# Altium PCB ECU rev B pcb.PcbDoc (part 1 of 6) (continued)
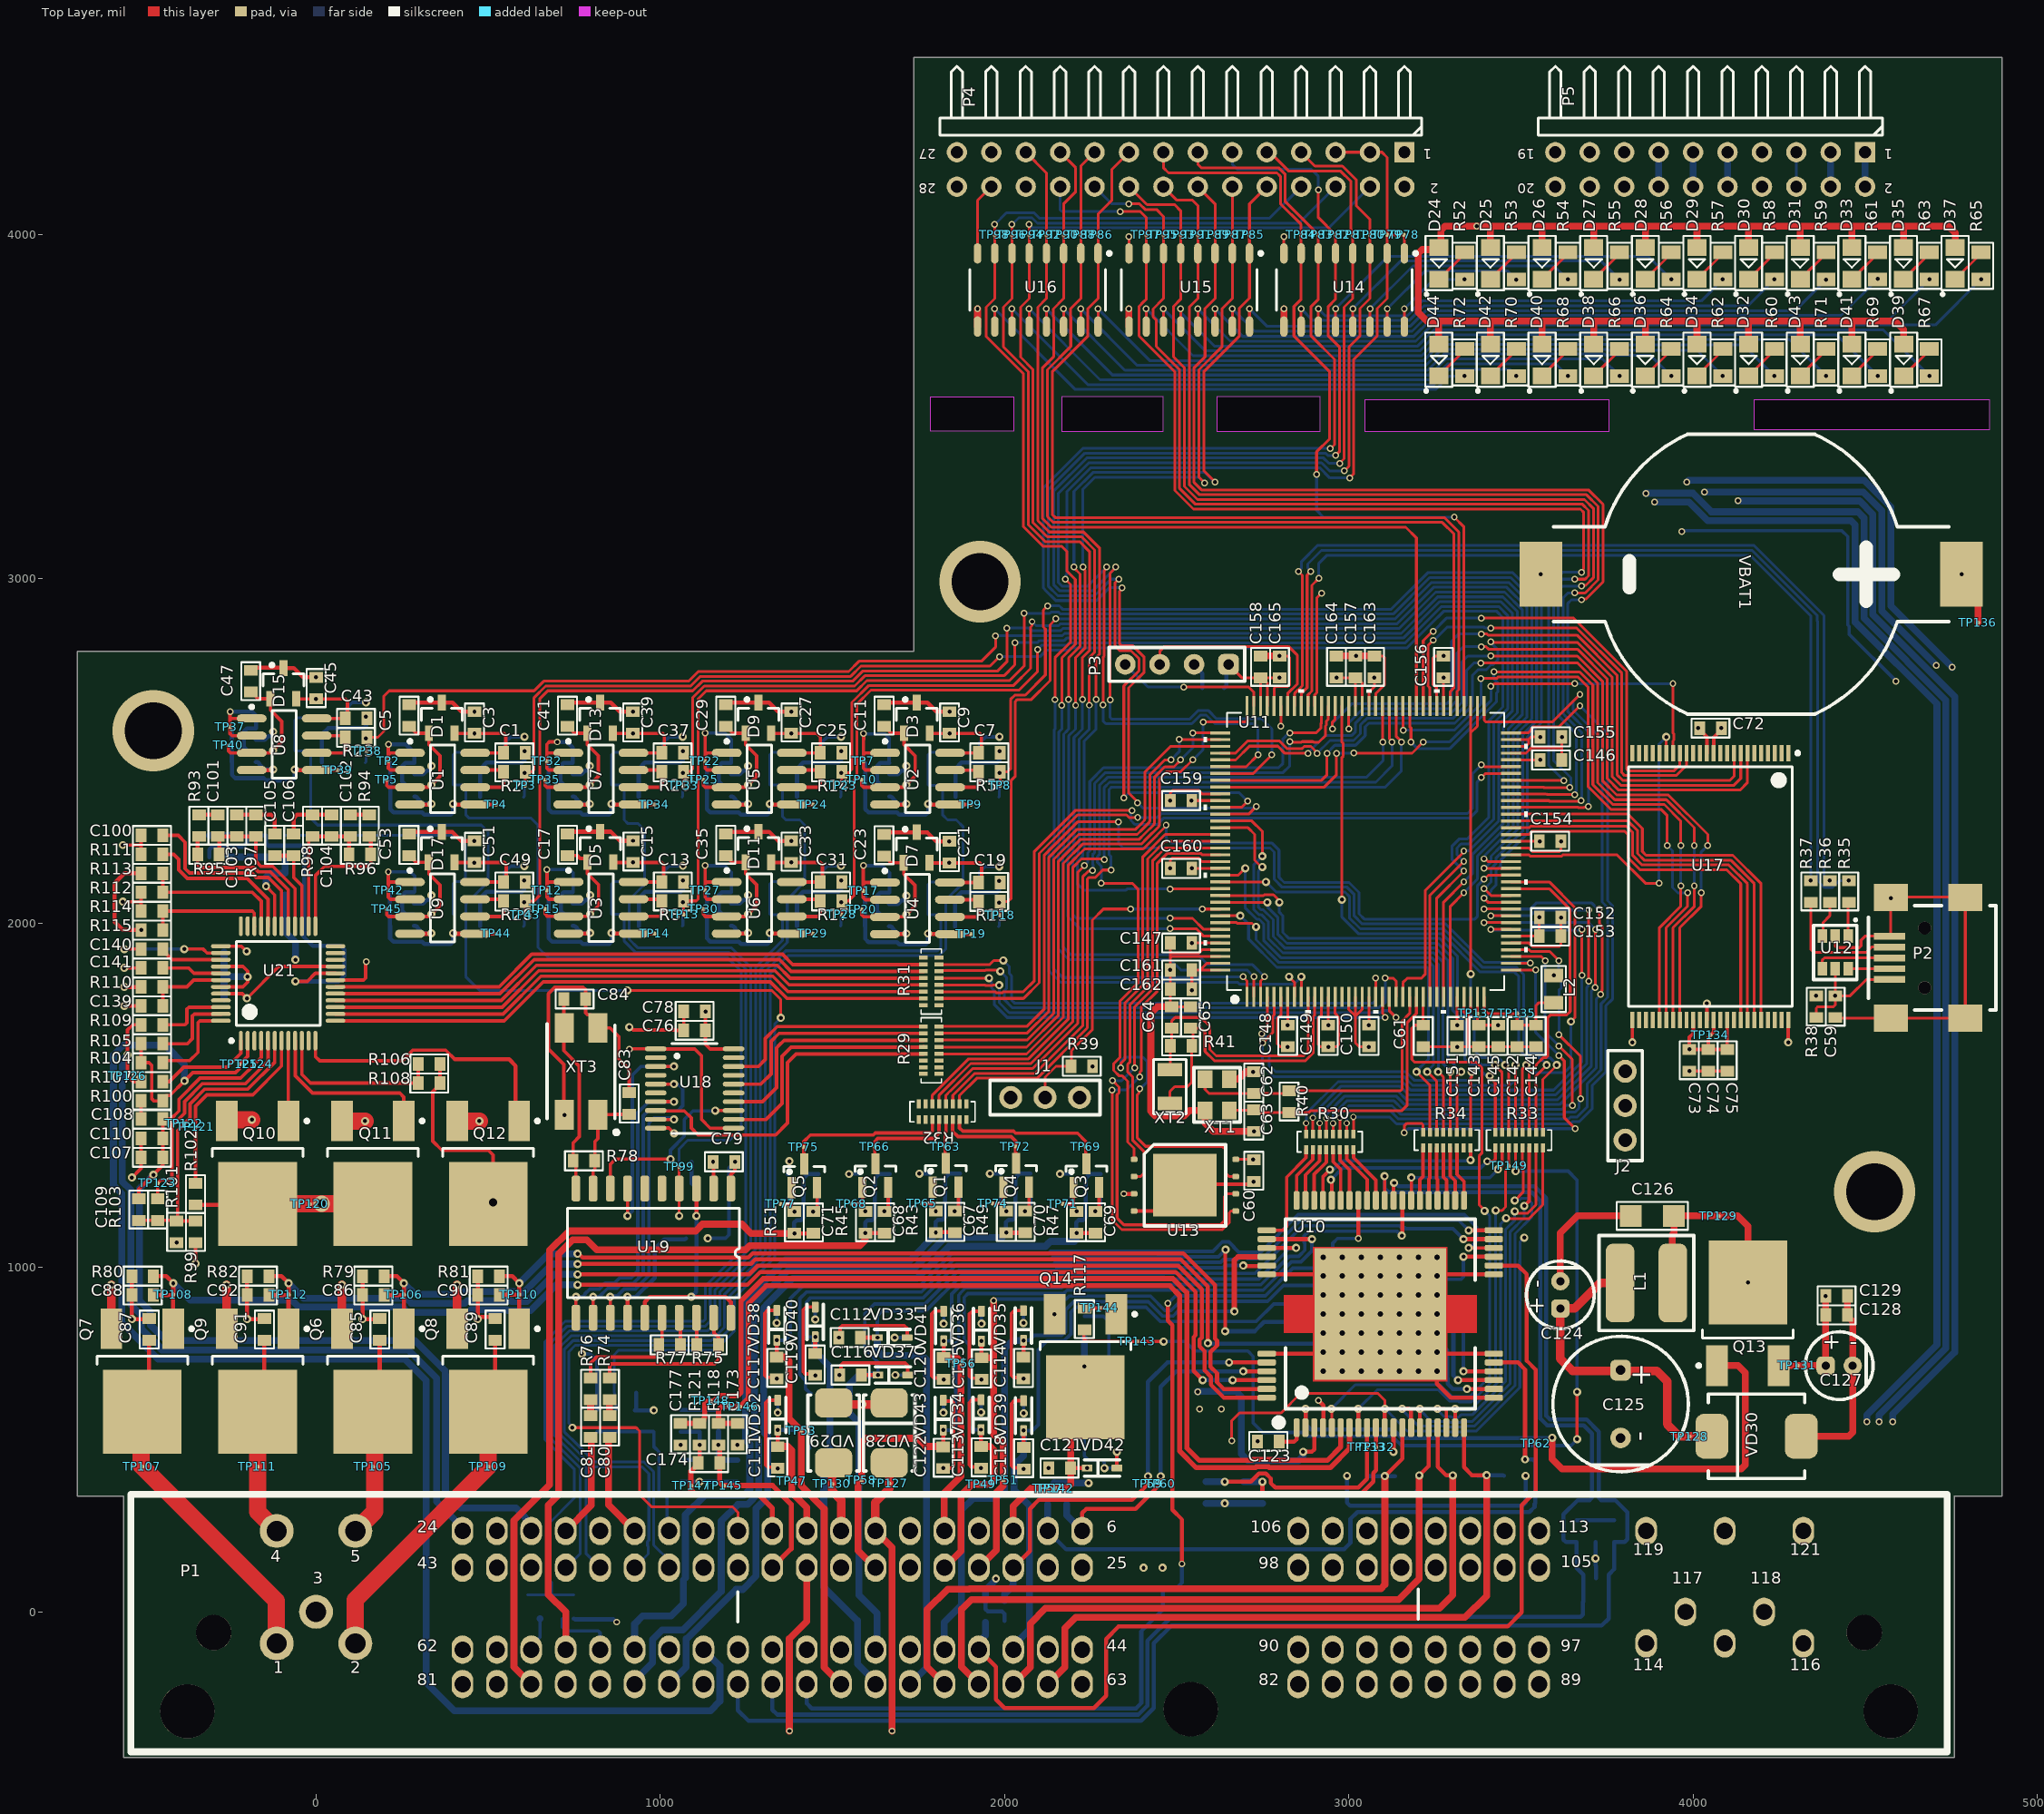
[diagram p0: Top Layer view]
## Design rules (kind name [scope] priority, off if disabled: settings) (continued)
RoomDefinition WideLambdaSensor [InComponentClass('WideLambdaSensor')] p26: confinementstyle=ConfineIn formatcopy=TRUE lockcomponents=FALSE outline -667.51,1010.82 665.9,1010.82 665.9,2477.56 -667.51,2477.56
RoomDefinition TaxoOut [InComponentClass('TaxoOut')] p27: confinementstyle=ConfineIn formatcopy=TRUE lockcomponents=FALSE outline 2469.49,952.76 2074.88,952.76 2074.88,346.05 2469.49,346.05
RoomDefinition Power [InComponentClass('Power')] p28: confinementstyle=ConfineOut formatcopy=TRUE lockcomponents=FALSE outline -1779.61,5831.05 -404.83,5831.05 -404.83,8226.05 -1779.61,8226.05
RoomDefinition OP11 [InComponentClass('OP11')] p29: confinementstyle=ConfineIn formatcopy=TRUE lockcomponents=FALSE outline 2353.5,382.6 2353.5,492.6 2093.5,492.6 2093.5,382.6
RoomDefinition OP10 [InComponentClass('OP10')] p30: confinementstyle=ConfineIn formatcopy=TRUE lockcomponents=TRUE outline 1858.5,900.24 1748.5,900.24 1748.5,640.24 1858.5,640.24
RoomDefinition OP8 [InComponentClass('OP8')] p31: confinementstyle=ConfineIn formatcopy=TRUE lockcomponents=FALSE outline 2090.67,639.84 1980.67,639.84 1980.67,379.84 2090.67,379.84
RoomDefinition OP3 [InComponentClass('OP3')] p32: confinementstyle=ConfineIn formatcopy=TRUE lockcomponents=FALSE outline 1967.24,642.4 1857.24,642.4 1857.24,382.4 1967.24,382.4
RoomDefinition OP2 [InComponentClass('OP2')] p33: confinementstyle=ConfineIn formatcopy=TRUE lockcomponents=TRUE outline 1744.03,761.52 1744.03,871.52 1484.03,871.52 1484.03,761.52
RoomDefinition OP1 [InComponentClass('OP1')] p34: confinementstyle=ConfineIn formatcopy=TRUE lockcomponents=FALSE outline 1376.36,641.64 1266.36,641.64 1266.36,381.64 1376.36,381.64
RoomDefinition IgnCvt3 [InComponentClass('IgnCvt3')] p35: confinementstyle=ConfineIn formatcopy=TRUE lockcomponents=FALSE outline 660.39,1011.42 325.39,1011.42 325.39,401.42 660.39,401.42
RoomDefinition IgnCvt2 [InComponentClass('IgnCvt2')] p36: confinementstyle=ConfineIn formatcopy=TRUE lockcomponents=FALSE outline -344.61,1011.42 -679.61,1011.42 -679.61,401.42 -344.61,401.42
RoomDefinition ExtRam [InComponentClass('ExtRam')] p37: confinementstyle=ConfineIn formatcopy=TRUE lockcomponents=FALSE outline 3799.64,2600.22 3799.64,1541.17 4319.64,1541.17 4319.64,2600.22
RoomDefinition DC5 [InComponentClass('DC5')] p38: confinementstyle=ConfineIn formatcopy=TRUE lockcomponents=FALSE outline 1519.13,1066.42 1519.13,1369.57 1314.41,1369.57 1314.41,1066.42
RoomDefinition DC3 [InComponentClass('DC3')] p39: confinementstyle=ConfineIn formatcopy=TRUE lockcomponents=FALSE outline 2338.58,1066.93 2338.58,1370.08 2133.86,1370.08 2133.86,1066.93
RoomDefinition DC1 [InComponentClass('DC1')] p40: confinementstyle=ConfineIn formatcopy=TRUE lockcomponents=FALSE outline 1929.92,1067.91 1929.92,1371.06 1725.2,1371.06 1725.2,1067.91
RoomDefinition CPS [InComponentClass('CPS')] p41: confinementstyle=ConfineIn formatcopy=TRUE lockcomponents=TRUE outline 1023.62,331.26 3644,331.26 3644,1309 1023.62,1309
RoomDefinition Connector [InComponentClass('Connector')] p42: confinementstyle=ConfineOut formatcopy=TRUE lockcomponents=FALSE outline -4004.61,8256.42 -4004.61,5806.42 -1739.61,5806.42 -1739.61,8256.42
RoomDefinition AC9 [InComponentClass('AC9')] p43: confinementstyle=ConfineIn formatcopy=TRUE lockcomponents=FALSE outline 645.17,1926.05 645.17,2301.05 185.17,2301.05 185.17,1926.05
RoomDefinition AC7 [InComponentClass('AC7')] p44: confinementstyle=ConfineIn formatcopy=TRUE lockcomponents=FALSE outline 1105.39,2301.42 1105.39,2676.42 645.39,2676.42 645.39,2301.42
RoutingVias RoutingVias_2 [(ObjectKind = 'Via') And (PadViaLibraryTemplate = 'v600h420m0mx0')] p1: holewidth=28 width=50 viastyle="Through Hole" minholewidth=28 minwidth=50 maxholewidth=300 maxwidth=500
RoutingVias RoutingVias_1 [InNetClass('CPU Lines')] p2: holewidth=11.81 width=19.68 viastyle="Through Hole" minholewidth=11.81 minwidth=13.78 maxholewidth=300 maxwidth=300
RoutingVias [All] p3: holewidth=11.81 width=23.62 viastyle="Through Hole" minholewidth=7.87 minwidth=19.68 maxholewidth=39.37 maxwidth=78.74
SilkToSilkClearance [All] p1: silktosilkclearance=3.94
SilkToSolderMaskClearance SilkToSolderMaskClearance_1 [All vs HasFootprint('TESTPOINT')] p1: minsilkscreentomaskgap=0 clearancetoexposedcopper=TRUE
SilkToSolderMaskClearance [IsPad] p2: minsilkscreentomaskgap=1 clearancetoexposedcopper=TRUE
SolderMaskExpansion [All] p1: expansion=4 istentingtop=FALSE
Width Width_4 [((InNetClass('CPU Lines')    OR InNetClass('AnalogLine'))  AND NOT   (InNet('3V3')    OR    InNet('GND')))] p1: maxlimit=8 minlimit=6 preferedwidth=8
Width Width_1 [OnLayer('GND')] p2: maxlimit=100 minlimit=10 preferedwidth=50 checkconnectedcopper=TRUE
Width Width_2 [OnLayer('Power')] p3: maxlimit=100 minlimit=10 preferedwidth=50 checkconnectedcopper=TRUE
Width [All] p4: maxlimit=59.06 minlimit=3.94 preferedwidth=10 minimp=50.000000 maximp=50.000000 favimp=50.000000
Width Width_3 [InNetClass('L970 line')] p5: maxlimit=10 minlimit=3.94 preferedwidth=10
23 further rules are at their usual default settings.

## Classes and differential pairs
net class AnalogLine: "Air Temp sensor" AirT "Coolant Temp sensor" CoolantT "HIP in" "HIP sensor" Lambda1 Lambda2 MAF "MAF sensor" MainVoltage MAP "MAP sensor" NetC44_2 NetC50_2 NetTP46_0 TPS "TPS sensor"
net class "CPU Lines": 3V3 \RESET AirT ALE BOOT0 CLE CoolantT FMC_D0 FMC_D1 FMC_D2 FMC_D3 FMC_D4 FMC_D5 FMC_D6 FMC_D7 GND "HIP in" Lambda1 Lambda2 MAF MainVoltage MAP NCE NOE NWAIT NWE OSC32_IN OSC32_OUT OSC_IN OSC_OUT PA0 PA1 PA2 PA3 PA4 PA5 PA6 PA7 PA8 PA15 PB0 PB1 PB2 PB3 PB4 PB5 PB6 PB7 PB8 PB9 PB10 PB11 PB12 PB13 PB14 PC7 PC9 PC10 PC11 PC12 PC13 PD2 PD3 PD6 PD7 PD8 PD9 PD10 PD13 PE0 PE1 PE2 PE3 PE4 PE5 PE6 PE11 PE12 PE13 PE14 PE15 PF6 PF7 PF8 PF9 PG6 PG7 PG8 PG9 PG10 PG11 PG12 PG13 PG14 "RAM WP" SWCLK SWDIO TPS "USB ID" "USB Vin" USB_N USB_P
net class "L970 line": "I Ign1" "I Ign2" "I Ign3" "I Ign4" "I Ing1" "I Ing2" "I Inj3" "I Inj4" "I O2" "I O2_1" "I Starter" "I StepMotor" Vkey
channel class OutProtect: OP1 OP2 OP3 OP4 OP5 OP6 OP7 OP8 OP9 OP10 OP11 OP12
channel class LambdaIn: LIN1 LIN2
channel class IgnMOSFET: IgnCvt1 IgnCvt2 IgnCvt3 IgnCvt4
channel class DigitalConverter: DC1 DC2 DC3 DC4 DC5
channel class AnalogIn: AC1 AC2 AC3 AC4 AC5 AC6 AC7 AC8 AC9
net class Ign[1..4]: Ign1 Ign2 Ign3 Ign4
net class FMC_D[0..7]: FMC_D0 FMC_D1 FMC_D2 FMC_D3 FMC_D4 FMC_D5 FMC_D6 FMC_D7
net class Coil[1..4]: Coil1 Coil2 Coil3 Coil4
component class WideLambdaSensor: C100 C101 C102 C103 C104 C105 C106 C107 C108 C109 C110 Q10 Q11 Q12 R93 R94 R95 R96 R97 R98 R99 R100 R101 R102 R103 R104 R105 R106 R107 R108 R109 TP120 TP121 TP122 TP123 TP124 TP125 TP126 U21
component class TaxoOut: Q14 R116 R117 TP142 TP143 TP144 VD31
component class StepControl: C166 C167 C168 C169 TP138 TP139 TP140 TP141
component class Power: C123 C124 C125 C126 C127 C128 C129 C130 C131 C132 C133 C134 C135 C136 C137 C138 C139 C140 C141 C142 C143 C144 C145 C146 C147 C148 C149 C150 C151 C152 C153 C154 C155 C156 C157 C158 C159 C160 C161 C162 C163 C164 C165 J2 L1 L2 Q13 R110 R111 R112 R113 R114 R115 TP127 TP128 TP129 TP130 TP131 TP132 TP133 TP135 TP136 TP137 U10 VBAT1 VD28 VD29 VD30
component class OP12: C122 VD27 VD43
component class OP11: C121 VD26 VD42
component class OP10: C120 VD25 VD41
component class OP9: C119 VD24 VD40
component class OP8: C118 VD23 VD39
component class OP7: C117 VD22 VD38
component class OP6: C116 VD21 VD37
component class OP5: C115 VD20 VD36
component class OP4: C114 VD19 VD35
component class OP3: C113 VD18 VD34
component class OP2: C112 VD17 VD33
component class OP1: C111 VD16 VD32
component class LIN2: C98 C99 R90 R91 R92 TP118 TP119
component class LIN1: C96 C97 R87 R88 R89 TP116 TP117
component class InterfaceControl: C93 C94 C95 R83 R84 R85 R86 TP113 TP114 TP115 U20
component class IgnCvt4: C91 C92 Q9 R82 TP111 TP112
component class IgnCvt3: C89 C90 Q8 R81 TP109 TP110
component class IgnCvt2: C87 C88 Q7 R80 TP107 TP108
component class IgnCvt1: C85 C86 Q6 R79 TP105 TP106
component class HIP9011: C76 C77 C78 C79 C80 C81 C82 C83 C84 R73 R74 R75 R76 R77 R78 TP99 TP100 TP101 TP102 TP103 TP104 U18 U19 XT3
component class ExtRam: C72 C73 C74 C75 U17
component class ExtIO: D24 D25 D26 D27 D28 D29 D30 D31 D32 D33 D34 D35 D36 D37 D38 D39 D40 D41 D42 D43 D44 P4 P5 R52 R53 R54 R55 R56 R57 R58 R59 R60 R61 R62 R63 R64 R65 R66 R67 R68 R69 R70 R71 R72 TP78 TP79 TP80 TP81 TP82 TP83 TP84 TP85 TP86 TP87 TP88 TP89 TP90 TP91 TP92 TP93 TP94 TP95 TP96 TP97 TP98 U14 U15 U16
component class DC5: C71 D23 Q5 R51 TP75 TP76 TP77 VD15
component class DC4: C70 D22 Q4 R49 TP72 TP73 TP74 VD14
component class DC3: C69 D21 Q3 R47 TP69 TP70 TP71 VD13
component class DC2: C68 D20 Q2 R45 TP66 TP67 TP68 VD12
component class DC1: C67 D19 Q1 R43 TP63 TP64 TP65 VD11
component class CPU: C59 C60 C61 C62 C63 C64 C65 C66 J1 P2 P3 R29 R30 R31 R32 R33 R34 R35 R36 R37 R38 R39 R40 R41 U11 U12 U13 XT1 XT2
component class CPS: C170 C171 C172 C173 C174 C175 C176 C177 R118 R119 R120 R121 TP145 TP146 TP147 TP148 TP149
component class Connector: C55 C56 C57 C58 P1 TP46 TP47 TP48 TP49 TP50 TP51 TP52 TP53 TP54 TP55 TP56 TP57 TP58 TP59 TP60 TP61 TP62 VD10
component class AC9: C49 C50 C51 C52 C53 C54 D17 D18 R25 R26 R27 TP41 TP42 TP43 TP44 TP45 U9 VD9
component class AC8: C43 C44 C45 C46 C47 C48 D15 D16 R22 R23 R24 TP36 TP37 TP38 TP39 TP40 U8 VD8
component class AC7: C37 C38 C39 C40 C41 C42 D13 D14 R19 R20 R21 TP31 TP32 TP33 TP34 TP35 U7 VD7
component class AC6: C31 C32 C33 C34 C35 C36 D11 D12 R16 R17 R18 TP26 TP27 TP28 TP29 TP30 U6 VD6
component class AC5: C25 C26 C27 C28 C29 C30 D9 D10 R13 R14 R15 TP21 TP22 TP23 TP24 TP25 U5 VD5
component class AC4: C19 C20 C21 C22 C23 C24 D7 D8 R10 R11 R12 TP16 TP17 TP18 TP19 TP20 U4 VD4
component class AC3: C13 C14 C15 C16 C17 C18 D5 D6 R7 R8 R9 TP11 TP12 TP13 TP14 TP15 U3 VD3
component class AC2: C7 C8 C9 C10 C11 C12 D3 D4 R4 R5 R6 TP6 TP7 TP8 TP9 TP10 U2 VD2
component class AC1: C1 C2 C3 C4 C5 C6 D1 D2 R1 R2 R3 TP1 TP2 TP3 TP4 TP5 U1 VD1
component class 12to5: R28
differential pair VRS: +VRS_P -VRS_N
differential pair USB: +USB_P -USB_N
differential pair CPS: +CPS_P -CPS_N

## Components (designator, comment, footprint, x,y, rotation, side; value= is the part's Value field where it differs from the comment)
C1 "100nF\50V" "SMD 0603" 607.64,2494.76 r180 top (schematic designator C90)
C2 "1nF" "SMD 0603" 335.39,2456.42 r0 bottom (schematic designator C87)
C3 "100nF\50V" "SMD 0603" 460.39,2551.42 r90 top (schematic designator C88)
C4 "1nF" "SMD 0603" 605.39,2499.41 r270 bottom (schematic designator C92)
C5 "1nF" "SMD 0603" 270.39,2634.41 r270 top (schematic designator C89)
C6 "1nF" "SMD 0603" 335.39,2346.42 r0 bottom (schematic designator C91)
C7 "100nF\50V" "SMD 0603" 1987.64,2494.76 r180 top (schematic designator C90)
C8 "1nF" "SMD 0603" 1715.39,2456.42 r0 bottom (schematic designator C87)
C9 "100nF\50V" "SMD 0603" 1840.39,2551.42 r90 top (schematic designator C88)
C10 "1nF" "SMD 0603" 1985.39,2499.41 r270 bottom (schematic designator C92)
C11 "1nF" "SMD 0603" 1650.39,2634.41 r270 top (schematic designator C89)
C12 "1nF" "SMD 0603" 1715.39,2346.42 r0 bottom (schematic designator C91)
C13 "100nF\50V" "SMD 0603" 1068.15,2119.87 r180 top (schematic designator C90)
C14 "1nF" "SMD 0603" 795.91,2081.52 r0 bottom (schematic designator C87)
C15 "100nF\50V" "SMD 0603" 920.91,2176.52 r90 top (schematic designator C88)
C16 "1nF" "SMD 0603" 1065.91,2124.51 r270 bottom (schematic designator C92)
C17 "1nF" "SMD 0603" 730.91,2259.51 r270 top (schematic designator C89)
C18 "1nF" "SMD 0603" 795.91,1971.52 r0 bottom (schematic designator C91)
C19 "100nF\50V" "SMD 0603" 1987.24,2118.35 r180 top (schematic designator C90)
C20 "1nF" "SMD 0603" 1715,2080 r0 bottom (schematic designator C87)
C21 "100nF\50V" "SMD 0603" 1840,2175 r90 top (schematic designator C88)
C22 "1nF" "SMD 0603" 1985,2122.99 r270 bottom (schematic designator C92)
C23 "1nF" "SMD 0603" 1650,2257.99 r270 top (schematic designator C89)
C24 "1nF" "SMD 0603" 1715,1970 r0 bottom (schematic designator C91)
C25 "100nF\50V" "SMD 0603" 1527.64,2494.76 r180 top (schematic designator C90)
C26 "1nF" "SMD 0603" 1255.39,2456.42 r0 bottom (schematic designator C87)
C27 "100nF\50V" "SMD 0603" 1380.39,2551.42 r90 top (schematic designator C88)
C28 "1nF" "SMD 0603" 1525.39,2499.41 r270 bottom (schematic designator C92)
C29 "1nF" "SMD 0603" 1190.39,2634.41 r270 top (schematic designator C89)
C30 "1nF" "SMD 0603" 1255.39,2346.42 r0 bottom (schematic designator C91)
C31 "100nF\50V" "SMD 0603" 1527.64,2119.76 r180 top (schematic designator C90)
C32 "1nF" "SMD 0603" 1255.39,2081.42 r0 bottom (schematic designator C87)
C33 "100nF\50V" "SMD 0603" 1380.39,2176.42 r90 top (schematic designator C88)
C34 "1nF" "SMD 0603" 1525.39,2124.41 r270 bottom (schematic designator C92)
C35 "1nF" "SMD 0603" 1190.39,2259.41 r270 top (schematic designator C89)
C36 "1nF" "SMD 0603" 1255.39,1971.42 r0 bottom (schematic designator C91)
C37 "100nF\50V" "SMD 0603" 1067.64,2494.76 r180 top (schematic designator C90)
C38 "1nF" "SMD 0603" 795.39,2456.42 r0 bottom (schematic designator C87)
C39 "100nF\50V" "SMD 0603" 920.39,2551.42 r90 top (schematic designator C88)
C40 "1nF" "SMD 0603" 1065.39,2499.41 r270 bottom (schematic designator C92)
C41 "1nF" "SMD 0603" 730.39,2634.41 r270 top (schematic designator C89)
C42 "1nF" "SMD 0603" 795.39,2346.42 r0 bottom (schematic designator C91)
C43 "100nF\50V" "SMD 0603" 147.64,2594.76 r180 top (schematic designator C90)
C44 "1nF" "SMD 0603" -124.61,2556.42 r0 bottom (schematic designator C87)
C45 "100nF\50V" "SMD 0603" 0.39,2651.42 r90 top (schematic designator C88)
C46 "1nF" "SMD 0603" 145.39,2599.41 r270 bottom (schematic designator C92)
C47 "1nF" "SMD 0603" -189.61,2734.41 r270 top (schematic designator C89)
C48 "1nF" "SMD 0603" -124.61,2446.42 r0 bottom (schematic designator C91)
C49 "100nF\50V" "SMD 0603" 607.41,2119.39 r180 top (schematic designator C90)
C50 "1nF" "SMD 0603" 335.17,2081.05 r0 bottom (schematic designator C87)
C51 "100nF\50V" "SMD 0603" 460.17,2176.05 r90 top (schematic designator C88)
C52 "1nF" "SMD 0603" 605.17,2124.04 r270 bottom (schematic designator C92)
C53 "1nF" "SMD 0603" 270.17,2259.04 r270 top (schematic designator C89)
C54 "1nF" "SMD 0603" 335.17,1971.05 r0 bottom (schematic designator C91)
C55 "1nF" "SMD 0603" 2000,-30 r90 bottom (schematic designator C1)
C56 "1nF" "SMD 0603" 2125.31,375 r270 bottom (schematic designator C3)
C57 "1nF" "SMD 0603" 2180.31,375 r270 bottom (schematic designator C2)
C58 "1nF" "SMD 0603" 1945,32.99 r270 bottom (schematic designator C4)
C59 "0.1uF" "SMD 0603" 4413.39,1789.2 r270 top (schematic designator C102)
C60 "0.1uF" "SMD 0603" 2724.22,1312.8 r270 top (schematic designator C101)
C61 "0.1uF" "SMD 0603" 3216.5,1703.81 r270 top (schematic designator C95)
C62 "10pF" "SMD 0603" 2724.41,1505.73 r90 top (schematic designator C96)
C63 "10pF" "SMD 0603" 2724.41,1458.49 r270 top (schematic designator C97)
C64 "22pF" "SMD 0603" 2485.44,1694.71 r90 top (schematic designator C98)
C65 "22pF" "SMD 0603" 2540.56,1694.71 r90 top (schematic designator C99)
C66 "0.1uF" "SMD 0603" 2574.8,2682.9 r0 bottom (schematic designator C100)
C67 "1nF" "SMD 0603" 1855.76,1164 r270 top (schematic designator C77)
C68 "1nF" "SMD 0603" 1651.46,1162.94 r270 top (schematic designator C77)
C69 "1nF" "SMD 0603" 2264.42,1163.02 r270 top (schematic designator C77)
C70 "1nF" "SMD 0603" 2060.52,1164 r270 top (schematic designator C77)
C71 "1nF" "SMD 0603" 1444.97,1162.5 r270 top (schematic designator C77)
C72 "100nF\50V" "SMD 0603" 4019.64,2566.57 r0 top (schematic designator C103)
C73 "100nF\50V" "SMD 0603" 3989.64,1570.57 r90 top (schematic designator C104)
C74 "100nF\50V" "SMD 0603" 4044.64,1570.57 r90 top (schematic designator C105)
C75 "100nF\50V" "SMD 0603" 4099.64,1570.57 r90 top (schematic designator C106)
C76 "100nF\50V" "SMD 0603" 1131.29,1688.94 r180 top (schematic designator C84)
C77 "100nF\50V" "SMD 0603" 910,1635 r90 bottom (schematic designator C86)
C78 "1uF" "SMD 0603" 1131.29,1743.97 r180 top (schematic designator C85)
C79 "4.7uF" "SMD 0603" 1153.54,1307.09 r0 top (schematic designator C81)
C80 "3.3nF" "SMD 0603" 852.73,569.4 r270 top (schematic designator C78)
C81 "3.3nF" "SMD 0603" 797.73,569.4 r270 top (schematic designator C79)
C82 "22nF" "SMD 0603" 1153.54,1307.09 r180 bottom (schematic designator C80)
C83 "22pF" "SMD 0603" 910,1507.99 r270 top (schematic designator C82)
C84 "22pF" "SMD 0603" 782.99,1780 r180 top (schematic designator C83)
C85 "1nF" "SMD 0603" 185.39,851.42 r270 top (schematic designator C49)
C86 "1.5nF\50V" "SMD 0603" 135,920 r0 top (schematic designator C48)
C87 "1nF" "SMD 0603" -484.61,851.42 r270 top (schematic designator C49)
C88 "1.5nF\50V" "SMD 0603" -535,920 r0 top (schematic designator C48)
C89 "1nF" "SMD 0603" 520.39,851.42 r270 top (schematic designator C49)
C90 "1.5nF\50V" "SMD 0603" 470,920 r0 top (schematic designator C48)
C91 "1nF" "SMD 0603" -149.61,851.42 r270 top (schematic designator C49)
C92 "1.5nF\50V" "SMD 0603" -200,920 r0 top (schematic designator C48)
C93 "4.7nF" "SMD 0603" 3716.78,202.56 r90 bottom (schematic designator C52)
C94 "1nF" "SMD 0603" 2404.14,128.33 r270 bottom (schematic designator C51)
C95 "10nF\100V" "SMD 0603" -310,2192.01 r90 bottom (schematic designator C50)
C96 "33nF" "SMD 0603" 867.28,636.06 r0 bottom (schematic designator C94)
C97 "1nF" "SMD 0603" 926.34,585.12 r270 bottom (schematic designator C93)
C98 "33nF" "SMD 0603" -35,2255 r270 bottom (schematic designator C94)
C99 "1nF" "SMD 0603" -145,2255 r270 bottom (schematic designator C93)
C100 "4.7uF" "SMD 0603" -445,2255 r180 top (schematic designator C69)
C101 "NC" "SMD 0603" -285,2315 r270 top (schematic designator C67)
C102 "NC" "SMD 0603" 100,2315 r270 top (schematic designator C71)
C103 "NC" "SMD 0603" -230,2252.01 r90 top (schematic designator C66)
C104 "NC" "SMD 0603" 45,2252.01 r90 top (schematic designator C72)
C105 "NC" "SMD 0603" -120,2196.06 r90 top (schematic designator C68)
C106 "NC" "SMD 0603" -65,2259.06 r270 top (schematic designator C70)
C107 "2.2nF" "SMD 0603" -445,1320 r180 top (schematic designator C74)
C108 "1uF" "SMD 0603" -507.99,1431.65 r0 top (schematic designator C75)
C109 "1uF" "SMD 0603" -515,1137.01 r90 top (schematic designator C73)
C110 "1nF" "SMD 0603" -507.99,1375 r0 top (schematic designator C76)
C111 "1nF" "SMD 0603" 1341.36,416.64 r90 top (schematic designator C57)
C112 "1nF" "SMD 0603" 1519.03,796.52 r0 top (schematic designator C57)
C113 "1nF" "SMD 0603" 1932.24,417.4 r90 top (schematic designator C57)
C114 "1nF" "SMD 0603" 2055.2,676.69 r90 top (schematic designator C57)
C115 "1nF" "SMD 0603" 1933.23,674.96 r90 top (schematic designator C57)
C116 "1nF" "SMD 0603" 1521.02,687.83 r0 top (schematic designator C57)
C117 "1nF" "SMD 0603" 1338.58,677.17 r90 top (schematic designator C57)
C118 "1nF" "SMD 0603" 2055.67,414.84 r90 top (schematic designator C57)
C119 "1nF" "SMD 0603" 1450.12,687.13 r90 top (schematic designator C57)
C120 "1nF" "SMD 0603" 1823.5,675.24 r90 top (schematic designator C57)
C121 "1nF" "SMD 0603" 2128.5,417.6 r0 top (schematic designator C57)
C122 "1nF" "SMD 0603" 1822.21,416.38 r90 top (schematic designator C57)
C123 "100nF\50V" "SMD 0603" 2797.99,495 r180 top (schematic designator C40)
C124 "10uF\100V" "CAP 5x11" 3615,920.63 r90 top (schematic designator C10)
C125 "100uF\100V" "CAP 10x20" 3790,603.43 r270 top (schematic designator C12)
C126 "2.2uF\100V" "SMD 1206" 3819.02,1150 r0 top (schematic designator C15)
C127 "10uF\100V" "CAP 5x11" 4425,715 r0 top (schematic designator C38)
C128 "100nF\50V" "SMD 0603" 4448.93,862.61 r180 top (schematic designator C39)
C129 "1uF" "SMD 0603" 4448.93,917.61 r180 top (schematic designator C41)
C130 "10nF\50V" "SMD 0603" 2694.38,315.02 r90 bottom (schematic designator C42)
C131 "10nF\50V" "SMD 0603" 2585,315.02 r90 bottom (schematic designator C43)
C132 "1uF" "SMD 0603" 2749.38,315.02 r90 bottom (schematic designator C45)
C133 "1uF" "SMD 0603" 2640,315.02 r90 bottom (schematic designator C46)
C134 "1uF" "SMD 0603" 2566.83,589.27 r0 bottom (schematic designator C47)
C135 "100nF\50V" "SMD 0603" 82.57,1887.99 r0 bottom (schematic designator C29)
C136 "100nF\50V" "SMD 0603" -264.72,1918.3 r0 bottom (schematic designator C31)
C137 "100nF\50V" "SMD 0603" -263.6,1781.76 r0 bottom (schematic designator C33)
C138 "100nF\50V" "SMD 0603" -59.97,1831.03 r90 bottom (schematic designator C35)
C139 "10nF\100V" "SMD 0603" -507.99,1760 r0 top (schematic designator C44)
C140 "470nF\16V" "SMD 0603" -507.99,1925 r0 top (schematic designator C36)
C141 "1uF" "SMD 0603" -445,1870 r180 top (schematic designator C37)
C142 "1uF" "SMD 0603" 3489.38,1703.81 r270 top (schematic designator C19)
C143 "1uF" "SMD 0603" 3378.48,1703.81 r270 top (schematic designator C25)
C144 "100nF\50V" "SMD 0603" 3544.5,1640.82 r90 top (schematic designator C17)
C145 "100nF\50V" "SMD 0603" 3434.26,1640.82 r90 top (schematic designator C22)
C146 "2.2uF" "SMD 0603" 3619.3,2474.24 r180 top (schematic designator C27)
C147 "2.2uF" "SMD 0603" 2481.5,1942.74 r0 top (schematic designator C28)
C148 "100nF\50V" "SMD 0603" 2822.8,1640.82 r90 top (schematic designator C5)
C149 "100nF\50V" "SMD 0603" 2940.91,1640.82 r90 top (schematic designator C6)
C150 "100nF\50V" "SMD 0603" 3059.02,1640.82 r90 top (schematic designator C7)
C151 "100nF\50V" "SMD 0603" 3314.92,1640.82 r90 top (schematic designator C8)
C152 "100nF\50V" "SMD 0603" 3616.84,2016.32 r180 top (schematic designator C9)
C153 "100nF\50V" "SMD 0603" 3616.84,1962.43 r180 top (schematic designator C11)
C154 "100nF\50V" "SMD 0603" 3616.84,2238.02 r180 top (schematic designator C13)
C155 "100nF\50V" "SMD 0603" 3619.3,2541.17 r180 top (schematic designator C14)
C156 "100nF\50V" "SMD 0603" 3275.55,2776.16 r270 top (schematic designator C16)
C157 "100nF\50V" "SMD 0603" 3019.65,2776.16 r270 top (schematic designator C18)
C158 "100nF\50V" "SMD 0603" 2744.05,2776.16 r270 top (schematic designator C20)
C159 "100nF\50V" "SMD 0603" 2481.5,2356.13 r0 top (schematic designator C21)
C160 "100nF\50V" "SMD 0603" 2481.5,2159.28 r0 top (schematic designator C23)
C161 "100nF\50V" "SMD 0603" 2481.5,1864 r0 top (schematic designator C24)
C162 "4.7uF" "SMD 0603" 2481.5,1808.88 r0 top (schematic designator C26)
C163 "100nF\50V" "SMD 0603" 3074.76,2776.16 r270 top (schematic designator C30)
C164 "100nF\50V" "SMD 0603" 2964.53,2776.16 r270 top (schematic designator C32)
C165 "4.7uF" "SMD 0603" 2799.17,2776.16 r270 top (schematic designator C34)
C166 "1nF" "SMD 0603" 3514.3,394.87 r180 bottom (schematic designator C53)
C167 "1nF" "SMD 0603" 3514.3,339.87 r180 bottom (schematic designator C54)
C168 "1nF" "SMD 0603" 2995.13,339.87 r0 bottom (schematic designator C55)
C169 "1nF" "SMD 0603" 2995.13,394.87 r0 bottom (schematic designator C56)
C170 "100nF" "SMD 0603" 1169.29,523.62 r90 bottom (schematic designator C59)
C171 "4.7nF" "SMD 0603" 1224.61,377.83 r90 bottom (schematic designator C60)
C172 "100pF" "SMD 0603" 1169.61,377.83 r90 bottom (schematic designator C62)
C173 "470pF" "SMD 0603" 1224.41,484.25 r90 top (schematic designator C64)
C174 "470pF" "SMD 0603" 1110.24,433.07 r0 top (schematic designator C58)
C175 "4.7nF" "SMD 0603" 1059.06,377.95 r90 bottom (schematic designator C61)
C176 "100pF" "SMD 0603" 1114.49,377.83 r90 bottom (schematic designator C63)
C177 "470pF" "SMD 0603" 1059.06,484.25 r90 top (schematic designator C65)
D1 "BAS70-04" SOT23_N 365.39,2596.42 r90 top (schematic designator D2)
D2 "2.7V" SOD123 540.39,2366.42 r0 bottom (schematic designator D3)
D3 "BAS70-04" SOT23_N 1745.39,2596.42 r90 top (schematic designator D2)
D4 "2.7V" SOD123 1920.39,2366.42 r0 bottom (schematic designator D3)
D5 "BAS70-04" SOT23_N 825.91,2221.52 r90 top (schematic designator D2)
D6 "2.7V" SOD123 1000.91,1991.52 r0 bottom (schematic designator D3)
D7 "BAS70-04" SOT23_N 1745,2220 r90 top (schematic designator D2)
D8 "2.7V" SOD123 1920,1990 r0 bottom (schematic designator D3)
D9 "BAS70-04" SOT23_N 1285.39,2596.42 r90 top (schematic designator D2)
D10 "2.7V" SOD123 1460.39,2366.42 r0 bottom (schematic designator D3)
D11 "BAS70-04" SOT23_N 1285.39,2221.42 r90 top (schematic designator D2)
D12 "2.7V" SOD123 1460.39,1991.42 r0 bottom (schematic designator D3)
D13 "BAS70-04" SOT23_N 825.39,2596.42 r90 top (schematic designator D2)
D14 "2.7V" SOD123 1000.39,2366.42 r0 bottom (schematic designator D3)
D15 "BAS70-04" SOT23_N -94.61,2696.42 r90 top (schematic designator D2)
D16 "2.7V" SOD123 80.39,2466.42 r0 bottom (schematic designator D3)
D17 "BAS70-04" SOT23_N 365.17,2221.05 r90 top (schematic designator D2)
D18 "2.7V" SOD123 540.17,1991.05 r0 bottom (schematic designator D3)
D19 "4.7V" SOD323 1827.56,1205.71 r0 bottom (schematic designator D1)
D20 "4.7V" SOD323 1623.27,1204.65 r0 bottom (schematic designator D1)
D21 "4.7V" SOD323 2236.22,1204.72 r0 bottom (schematic designator D1)
D22 "4.7V" SOD323 2032.32,1205.71 r0 bottom (schematic designator D1)
D23 "4.7V" SOD323 1416.77,1204.21 r0 bottom (schematic designator D1)
D24 "LED" "LED 0805" 3262.41,3869.98 r90 top (schematic designator D11)
D25 "LED" "LED 0805" 3411.83,3869.98 r90 top (schematic designator D12)
D26 "LED" "LED 0805" 3561.83,3869.98 r90 top (schematic designator D13)
D27 "LED" "LED 0805" 3711.83,3869.98 r90 top (schematic designator D14)
D28 "LED" "LED 0805" 3861.83,3869.98 r90 top (schematic designator D15)
D29 "LED" "LED 0805" 4011.83,3869.98 r90 top (schematic designator D16)
D30 "LED" "LED 0805" 4161.83,3869.98 r90 top (schematic designator D17)
D31 "LED" "LED 0805" 4311.83,3869.98 r90 top (schematic designator D18)
D32 "LED" "LED 0805" 4161.83,3589.27 r90 top (schematic designator D4)
D33 "LED" "LED 0805" 4461.83,3869.98 r90 top (schematic designator D19)
D34 "LED" "LED 0805" 4011.83,3589.27 r90 top (schematic designator D5)
D35 "LED" "LED 0805" 4611.83,3869.98 r90 top (schematic designator D20)
D36 "LED" "LED 0805" 3861.83,3589.27 r90 top (schematic designator D6)
D37 "LED" "LED 0805" 4761.83,3869.98 r90 top (schematic designator D21)
D38 "LED" "LED 0805" 3711.83,3589.27 r90 top (schematic designator D7)
D39 "LED" "LED 0805" 4612.41,3589.27 r90 top (schematic designator D22)
D40 "LED" "LED 0805" 3561.83,3589.27 r90 top (schematic designator D8)
D41 "LED" "LED 0805" 4461.83,3589.27 r90 top (schematic designator D23)
D42 "LED" "LED 0805" 3411.83,3589.27 r90 top (schematic designator D9)
D43 "LED" "LED 0805" 4311.83,3589.27 r90 top (schematic designator D24)
D44 "LED" "LED 0805" 3261.83,3589.27 r90 top (schematic designator D10)
J1 "JUMPER SWITCH" JMP3 2118.11,1493.92 r0 top (schematic designator J2)
J2 "JUMPER SWITCH" JMP3 3803.15,1470.08 r270 top (schematic designator J1)
L1 "3.3uH\2A" SDR0604 3865,955 r0 top
L2 "FB, 0.25OHM, 500MA," "SMD 0805" 3595.68,1769.51 r90 top
P1 "ECU 121 pin connector" 1241434-1 2100.39,-288.58 r0 top locked
P2 "MINI USB B SMD" "MINI USB B SMD" 4879.92,1899.43 r90 top (schematic designator P3)
P3 "JTAG" "HEADER 1x4" 2500.9,2751.82 r180 top (schematic designator P2)
P4 "Header 14X2H" HDR2X14H 3161.83,4239.27 r180 top
P5 "Header 10X2H" HDR2X10H 4500.41,4239.27 r180 top
Q1 "50V / 100mA" SOT23 1829.23,1267.84 r90 top (schematic designator Q6)
Q2 "50V / 100mA" SOT23 1624.94,1266.78 r90 top (schematic designator Q6)
Q3 "50V / 100mA" SOT23 2237.89,1266.86 r90 top (schematic designator Q6)
Q4 "50V / 100mA" SOT23 2033.99,1267.84 r90 top (schematic designator Q6)
Q5 "50V / 100mA" SOT23 1418.44,1266.35 r90 top (schematic designator Q6)
Q6 "STGD18N40" DPAK228P991X238-3M 165.39,661.42 r270 top (schematic designator Q2)
Q7 "STGD18N40" DPAK228P991X238-3M -504.61,661.42 r270 top (schematic designator Q2)
Q8 "STGD18N40" DPAK228P991X238-3M 500.39,661.42 r270 top (schematic designator Q2)
Q9 "STGD18N40" DPAK228P991X238-3M -169.61,661.42 r270 top (schematic designator Q2)
Q10 "IRFR1018EPbF" DPAK228P991X238-3M -169.61,1265 r270 top (schematic designator Q3)
Q11 "IRFR1018EPbF" DPAK228P991X238-3M 165.39,1265 r270 top (schematic designator Q4)
Q12 "IRFR1018EPbF" DPAK228P991X238-3M 500.39,1265 r270 top (schematic designator Q5)
Q13 "IRFR1018EPbF" DPAK228P991X238-3M 4159.76,875.63 r90 top (schematic designator Q1)
Q14 "IRFR1018EPbF" DPAK228P991X238-3M 2235.23,703.72 r270 top (schematic designator Q7)
R1 "10k" "SMD 0603" 398.39,2401.42 r180 bottom (schematic designator R41)
R2 "100R" "SMD 0603" 544.65,2439.76 r0 top (schematic designator R43)
R3 "47k" YC164 250.39,2416.42 r270 bottom (schematic designator R42)
R4 "10k" "SMD 0603" 1778.39,2401.42 r180 bottom (schematic designator R41)
R5 "100R" "SMD 0603" 1924.65,2439.76 r0 top (schematic designator R43)
R6 "47k" YC164 1630.39,2416.42 r270 bottom (schematic designator R42)
R7 "10k" "SMD 0603" 858.9,2026.52 r180 bottom (schematic designator R41)
R8 "100R" "SMD 0603" 1005.16,2064.87 r0 top (schematic designator R43)
R9 "47k" YC164 710.91,2041.52 r270 bottom (schematic designator R42)
R10 "10k" "SMD 0603" 1777.99,2025 r180 bottom (schematic designator R41)
R11 "100R" "SMD 0603" 1924.25,2063.35 r0 top (schematic designator R43)
R12 "47k" YC164 1630,2040 r270 bottom (schematic designator R42)
R13 "10k" "SMD 0603" 1318.39,2401.42 r180 bottom (schematic designator R41)
R14 "100R" "SMD 0603" 1464.65,2439.76 r0 top (schematic designator R43)
R15 "47k" YC164 1170.39,2416.42 r270 bottom (schematic designator R42)
R16 "10k" "SMD 0603" 1318.39,2026.42 r180 bottom (schematic designator R41)
R17 "100R" "SMD 0603" 1464.65,2064.76 r0 top (schematic designator R43)
R18 "47k" YC164 1170.39,2041.42 r270 bottom (schematic designator R42)
R19 "10k" "SMD 0603" 858.39,2401.42 r180 bottom (schematic designator R41)
R20 "100R" "SMD 0603" 1004.65,2439.76 r0 top (schematic designator R43)
R21 "47k" YC164 710.39,2416.42 r270 bottom (schematic designator R42)
R22 "10k" "SMD 0603" -61.61,2501.42 r180 bottom (schematic designator R41)
R23 "100R" "SMD 0603" 84.65,2539.76 r0 top (schematic designator R43)
R24 "47k" YC164 -209.61,2516.42 r270 bottom (schematic designator R42)
R25 "10k" "SMD 0603" 398.16,2026.05 r180 bottom (schematic designator R41)
R26 "100R" "SMD 0603" 544.42,2064.39 r0 top (schematic designator R43)
R27 "47k" YC164 250.17,2041.05 r270 bottom (schematic designator R42)
R28 "47k" YC164 699.68,15 r180 bottom (schematic designator R44)
R29 "33R" YC248 1787.36,1631.1 r90 top (schematic designator R53)
R30 "33R" YC248 2945,1365 r180 top (schematic designator R54)
R31 "33R" YC248 1787.36,1830.79 r90 top (schematic designator R55)
R32 "33R" YC248 1820.16,1452.64 r180 top (schematic designator R56)
R33 "33R" YC248 3495,1370 r180 top (schematic designator R57)
R34 "33R" YC248 3285,1370 r180 top (schematic designator R58)
R35 "27R" "SMD 0603" 4452.76,2123.84 r270 top (schematic designator R59)
R36 "27R" "SMD 0603" 4397.64,2123.84 r270 top (schematic designator R60)
R37 "27R" "SMD 0603" 4342.52,2123.84 r270 top (schematic designator R61)
R38 "10K" "SMD 0603" 4358.27,1726.21 r90 top (schematic designator R62)
R39 "10K" "SMD 0603" 2192.91,1584.47 r0 top (schematic designator R50)
R40 "1M" "SMD 0603" 2826.77,1513.61 r270 top (schematic designator R51)
R41 "1M" "SMD 0603" 2481.5,1643.53 r0 top (schematic designator R52)
R43 "10k" "SMD 0603" 1800.59,1101.01 r90 top (schematic designator R33)
R45 "10k" "SMD 0603" 1596.3,1099.94 r90 top (schematic designator R33)
R47 "10k" "SMD 0603" 2209.25,1100.02 r90 top (schematic designator R33)
R49 "10k" "SMD 0603" 2005.35,1101.01 r90 top (schematic designator R33)
R51 "10k" "SMD 0603" 1389.8,1099.51 r90 top (schematic designator R33)
R52 "1k" "SMD 0805" 3336.83,3869.98 r90 top (schematic designator R70)
R53 "1k" "SMD 0805" 3486.83,3869.98 r90 top (schematic designator R71)
R54 "1k" "SMD 0805" 3636.83,3869.98 r90 top (schematic designator R72)
R55 "1k" "SMD 0805" 3786.83,3869.98 r90 top (schematic designator R73)
R56 "1k" "SMD 0805" 3936.83,3869.98 r90 top (schematic designator R74)
R57 "1k" "SMD 0805" 4086.83,3869.98 r90 top (schematic designator R75)
R58 "1k" "SMD 0805" 4236.83,3869.98 r90 top (schematic designator R76)
R59 "1k" "SMD 0805" 4386.83,3869.98 r90 top (schematic designator R77)
R60 "1k" "SMD 0805" 4236.83,3589.27 r90 top (schematic designator R63)
R61 "1k" "SMD 0805" 4536.83,3869.98 r90 top (schematic designator R78)
R62 "1k" "SMD 0805" 4086.83,3589.27 r90 top (schematic designator R64)
R63 "1k" "SMD 0805" 4686.83,3869.98 r90 top (schematic designator R79)
R64 "1k" "SMD 0805" 3936.83,3589.27 r90 top (schematic designator R65)
R65 "1k" "SMD 0805" 4836.83,3869.98 r90 top (schematic designator R80)
R66 "1k" "SMD 0805" 3786.83,3589.27 r90 top
R67 "1k" "SMD 0805" 4686.83,3589.27 r90 top (schematic designator R81)
R68 "1k" "SMD 0805" 3636.83,3589.27 r90 top (schematic designator R67)
R69 "1k" "SMD 0805" 4536.83,3589.27 r90 top (schematic designator R82)
R70 "1k" "SMD 0805" 3486.83,3589.27 r90 top (schematic designator R68)
R71 "1k" "SMD 0805" 4386.83,3589.27 r90 top (schematic designator R83)
R72 "1k" "SMD 0805" 3336.83,3589.27 r90 top (schematic designator R69)
R73 "10K" "SMD 0603" 1137.99,1085 r180 bottom (schematic designator R40)
R74 "33k 0.1%" "SMD 0603" 852.73,616.41 r90 top (schematic designator R35)
R75 "33k 0.1%" "SMD 0603" 1169.29,775.59 r180 top (schematic designator R37)
R76 "33k 0.1%" "SMD 0603" 797.73,616.41 r90 top (schematic designator R36)
R77 "33k 0.1%" "SMD 0603" 996.06,775.59 r0 top (schematic designator R38)
R78 "1M" "SMD 0603" 810,1310 r180 top (schematic designator R39)
R79 "4.7k" "SMD 0603" 135,975 r0 top (schematic designator R7)
R80 "4.7k" "SMD 0603" -535,975 r0 top (schematic designator R7)
R81 "4.7k" "SMD 0603" 470,975 r0 top (schematic designator R7)
R82 "4.7k" "SMD 0603" -200,975 r0 top (schematic designator R7)
R83 "60.4" "SMD 0603" 3771.78,265.55 r270 bottom (schematic designator R10)
R84 "60.4" "SMD 0603" 3661.78,265.55 r270 bottom (schematic designator R11)
R85 "100k" "SMD 0603" 2459.14,65.34 r90 bottom (schematic designator R9)
R86 "7.5k" "SMD 0603" -255,2192.01 r90 bottom (schematic designator R8)
R87 "511k" "SMD 0603" 816.34,585.12 r270 bottom (schematic designator R45)
R88 "10k 0.1%" "SMD 0603" 871.34,522.13 r90 bottom (schematic designator R47)
R89 "51k" "SMD 0603" 981.34,522.13 r90 bottom (schematic designator R46)
R90 "511k" "SMD 0603" -90,2082.01 r90 bottom (schematic designator R45)
R91 "10k 0.1%" "SMD 0603" -90,2192.01 r90 bottom (schematic designator R47)
R92 "51k" "SMD 0603" -200,2192.01 r90 bottom (schematic designator R46)
R93 "NC" "SMD 0603" -340,2315 r270 top (schematic designator R16)
R94 "NC" "SMD 0603" 155,2315 r270 top (schematic designator R25)
R95 "NC" "SMD 0603" -280.94,2200 r180 top (schematic designator R23)
R96 "NC" "SMD 0603" 96.06,2200 r0 top (schematic designator R24)
R97 "NC" "SMD 0603" -175,2252.01 r90 top (schematic designator R22)
R98 "NC" "SMD 0603" -10,2252.01 r90 top (schematic designator R29)
R99 "11K" "SMD 0603" -350,1072.01 r90 top (schematic designator R30)
R100 "10K" "SMD 0603" -507.99,1485 r0 top (schematic designator R32)
R101 "45.3K" "SMD 0603" -405,1135 r270 top (schematic designator R31)
R102 "10K" "SMD 0603" -350,1245 r270 top (schematic designator R17)
R103 "442" "SMD 0603" -460,1200 r270 top (schematic designator R26)
R104 "NC" "SMD 0603" -445,1595 r180 top (schematic designator R18)
R105 "NC" "SMD 0603" -445,1650 r180 top (schematic designator R19)
R106 "4.02k" "SMD 0603" 360.28,1591.21 r180 top (schematic designator R27)
R107 "NC" "SMD 0603" -445,1539.67 r180 top (schematic designator R20)
R108 "4.02k" "SMD 0603" 360.28,1535.75 r180 top (schematic designator R28)
R109 "NC" "SMD 0603" -445,1705 r180 top (schematic designator R21)
R110 "1k" "SMD 0603" -445,1815 r180 top (schematic designator R2)
R111 "12.1k" "SMD 0603" -507.99,2200 r0 top (schematic designator R1)
R112 "NC" "SMD 0603" -507.99,2090 r0 top (schematic designator R3)
R113 "NC" "SMD 0603" -445,2145 r180 top (schematic designator R4)
R114 "NC" "SMD 0603" -507.99,2035 r0 top (schematic designator R5)
R115 "NC" "SMD 0603" -445,1980 r180 top (schematic designator R6)
R116 "10K" "SMD 0603" 2232.28,795.28 r90 bottom (schematic designator R49)
R117 "1K" "SMD 0603" 2232.28,881.89 r270 top (schematic designator R48)
R118 "10k 1%" "SMD 0603" 1169.29,484.25 r90 top (schematic designator R14)
R119 "33k 0.1%" "SMD 0603" 1059.06,586.61 r270 bottom (schematic designator R12)
R120 "33k 0.1%" "SMD 0603" 1114.17,586.61 r270 bottom (schematic designator R13)
R121 "10k 1%" "SMD 0603" 1114.17,484.25 r90 top (schematic designator R15)
TP1 "TestPoint" TESTPOINT 433.74,2496.42 r0 bottom (schematic designator TP59)
TP2 "TestPoint" TESTPOINT 210.39,2470.16 r180 top (schematic designator TP61)
TP3 "TestPoint" TESTPOINT 607.64,2399.73 r180 top (schematic designator TP63)
TP4 "TestPoint" TESTPOINT 523.25,2344.76 r180 top (schematic designator TP62)
TP5 "TestPoint" TESTPOINT 205.39,2416.42 r180 top (schematic designator TP60)
TP6 "TestPoint" TESTPOINT 1813.74,2496.42 r0 bottom (schematic designator TP59)
TP7 "TestPoint" TESTPOINT 1590.39,2470.16 r180 top (schematic designator TP61)
TP8 "TestPoint" TESTPOINT 1987.64,2399.73 r180 top (schematic designator TP63)
TP9 "TestPoint" TESTPOINT 1903.25,2344.76 r180 top (schematic designator TP62)
TP10 "TestPoint" TESTPOINT 1585.39,2416.42 r180 top (schematic designator TP60)
TP11 "TestPoint" TESTPOINT 894.25,2121.52 r0 bottom (schematic designator TP59)
TP12 "TestPoint" TESTPOINT 670.91,2095.26 r180 top (schematic designator TP61)
TP13 "TestPoint" TESTPOINT 1068.15,2024.83 r180 top (schematic designator TP63)
TP14 "TestPoint" TESTPOINT 983.76,1969.87 r180 top (schematic designator TP62)
TP15 "TestPoint" TESTPOINT 665.91,2041.52 r180 top (schematic designator TP60)
TP16 "TestPoint" TESTPOINT 1813.35,2120 r0 bottom (schematic designator TP59)
TP17 "TestPoint" TESTPOINT 1590,2093.74 r180 top (schematic designator TP61)
TP18 "TestPoint" TESTPOINT 1987.24,2023.31 r180 top (schematic designator TP63)
TP19 "TestPoint" TESTPOINT 1902.86,1968.35 r180 top (schematic designator TP62)
TP20 "TestPoint" TESTPOINT 1585,2040 r180 top (schematic designator TP60)
TP21 "TestPoint" TESTPOINT 1353.74,2496.42 r0 bottom (schematic designator TP59)
TP22 "TestPoint" TESTPOINT 1130.39,2470.16 r180 top (schematic designator TP61)
TP23 "TestPoint" TESTPOINT 1527.64,2399.73 r180 top (schematic designator TP63)
TP24 "TestPoint" TESTPOINT 1443.25,2344.76 r180 top (schematic designator TP62)
TP25 "TestPoint" TESTPOINT 1125.39,2416.42 r180 top (schematic designator TP60)
TP26 "TestPoint" TESTPOINT 1353.74,2121.42 r0 bottom (schematic designator TP59)
TP27 "TestPoint" TESTPOINT 1130.39,2095.16 r180 top (schematic designator TP61)
TP28 "TestPoint" TESTPOINT 1527.64,2024.73 r180 top (schematic designator TP63)
TP29 "TestPoint" TESTPOINT 1443.25,1969.76 r180 top (schematic designator TP62)
TP30 "TestPoint" TESTPOINT 1125.39,2041.42 r180 top (schematic designator TP60)
TP31 "TestPoint" TESTPOINT 893.74,2496.42 r0 bottom (schematic designator TP59)
TP32 "TestPoint" TESTPOINT 670.39,2470.16 r180 top (schematic designator TP61)
TP33 "TestPoint" TESTPOINT 1067.64,2399.73 r180 top (schematic designator TP63)
TP34 "TestPoint" TESTPOINT 983.25,2344.76 r180 top (schematic designator TP62)
TP35 "TestPoint" TESTPOINT 665.39,2416.42 r180 top (schematic designator TP60)
TP36 "TestPoint" TESTPOINT -26.26,2596.42 r0 bottom (schematic designator TP59)
TP37 "TestPoint" TESTPOINT -249.61,2570.16 r180 top (schematic designator TP61)
TP38 "TestPoint" TESTPOINT 147.64,2499.73 r180 top (schematic designator TP63)
TP39 "TestPoint" TESTPOINT 63.25,2444.76 r180 top (schematic designator TP62)
TP40 "TestPoint" TESTPOINT -254.61,2516.42 r180 top (schematic designator TP60)
TP41 "TestPoint" TESTPOINT 433.51,2121.05 r0 bottom (schematic designator TP59)
TP42 "TestPoint" TESTPOINT 210.17,2094.79 r180 top (schematic designator TP61)
TP43 "TestPoint" TESTPOINT 607.41,2024.36 r180 top (schematic designator TP63)
TP44 "TestPoint" TESTPOINT 523.02,1969.39 r180 top (schematic designator TP62)
TP45 "TestPoint" TESTPOINT 205.17,2041.05 r180 top (schematic designator TP60)
TP46 "TestPoint" TESTPOINT 615.16,49.84 r90 bottom (schematic designator TP17)
TP47 "TestPoint" TESTPOINT 1382.09,379.61 r0 top (schematic designator TP1)
TP48 "TestPoint" TESTPOINT 1645.67,744.09 r90 bottom (schematic designator TP2)
TP49 "TestPoint" TESTPOINT 1931.97,370.08 r90 top (schematic designator TP3)
TP50 "TestPoint" TESTPOINT 2000,639.81 r90 bottom (schematic designator TP4)
TP51 "TestPoint" TESTPOINT 1996.06,381.89 r90 top (schematic designator TP5)
TP52 "TestPoint" TESTPOINT 1588.07,687.83 r90 bottom (schematic designator TP6)
TP53 "TestPoint" TESTPOINT 1409.45,526 r90 top (schematic designator TP7)
TP54 "TestPoint" TESTPOINT 2055.12,453.62 r90 bottom (schematic designator TP8)
TP55 "TestPoint" TESTPOINT 1450.12,754.61 r90 bottom (schematic designator TP9)
TP56 "TestPoint" TESTPOINT 1874.02,720.47 r90 top (schematic designator TP10)
TP57 "TestPoint" TESTPOINT 2125.44,358.72 r90 top (schematic designator TP11)
TP58 "TestPoint" TESTPOINT 1584.39,381.89 r90 top (schematic designator TP12)
TP59 "TestPoint" TESTPOINT 2417.13,371.06 r90 top (schematic designator TP13)
TP60 "TestPoint" TESTPOINT 2452.96,371.06 r90 top (schematic designator TP14)
TP61 "TestPoint" TESTPOINT 2270,181.69 r90 bottom (schematic designator TP15)